# Altium PCB transceiver_board_V2.PcbDoc (part 2 of 2)
Units mil, origin at the board's own origin, x right, y up, seen from the top; angles counter-clockwise.
Board outline 3696 x 3830 mil, 4 copper layers (L1-CU, L2-CU, L3-CU, L4-CU), stack 63.09 mil thick; 102 components, 132 nets, 527 pads, 299 vias.
Unrouted connection lines stored in the file: 765.
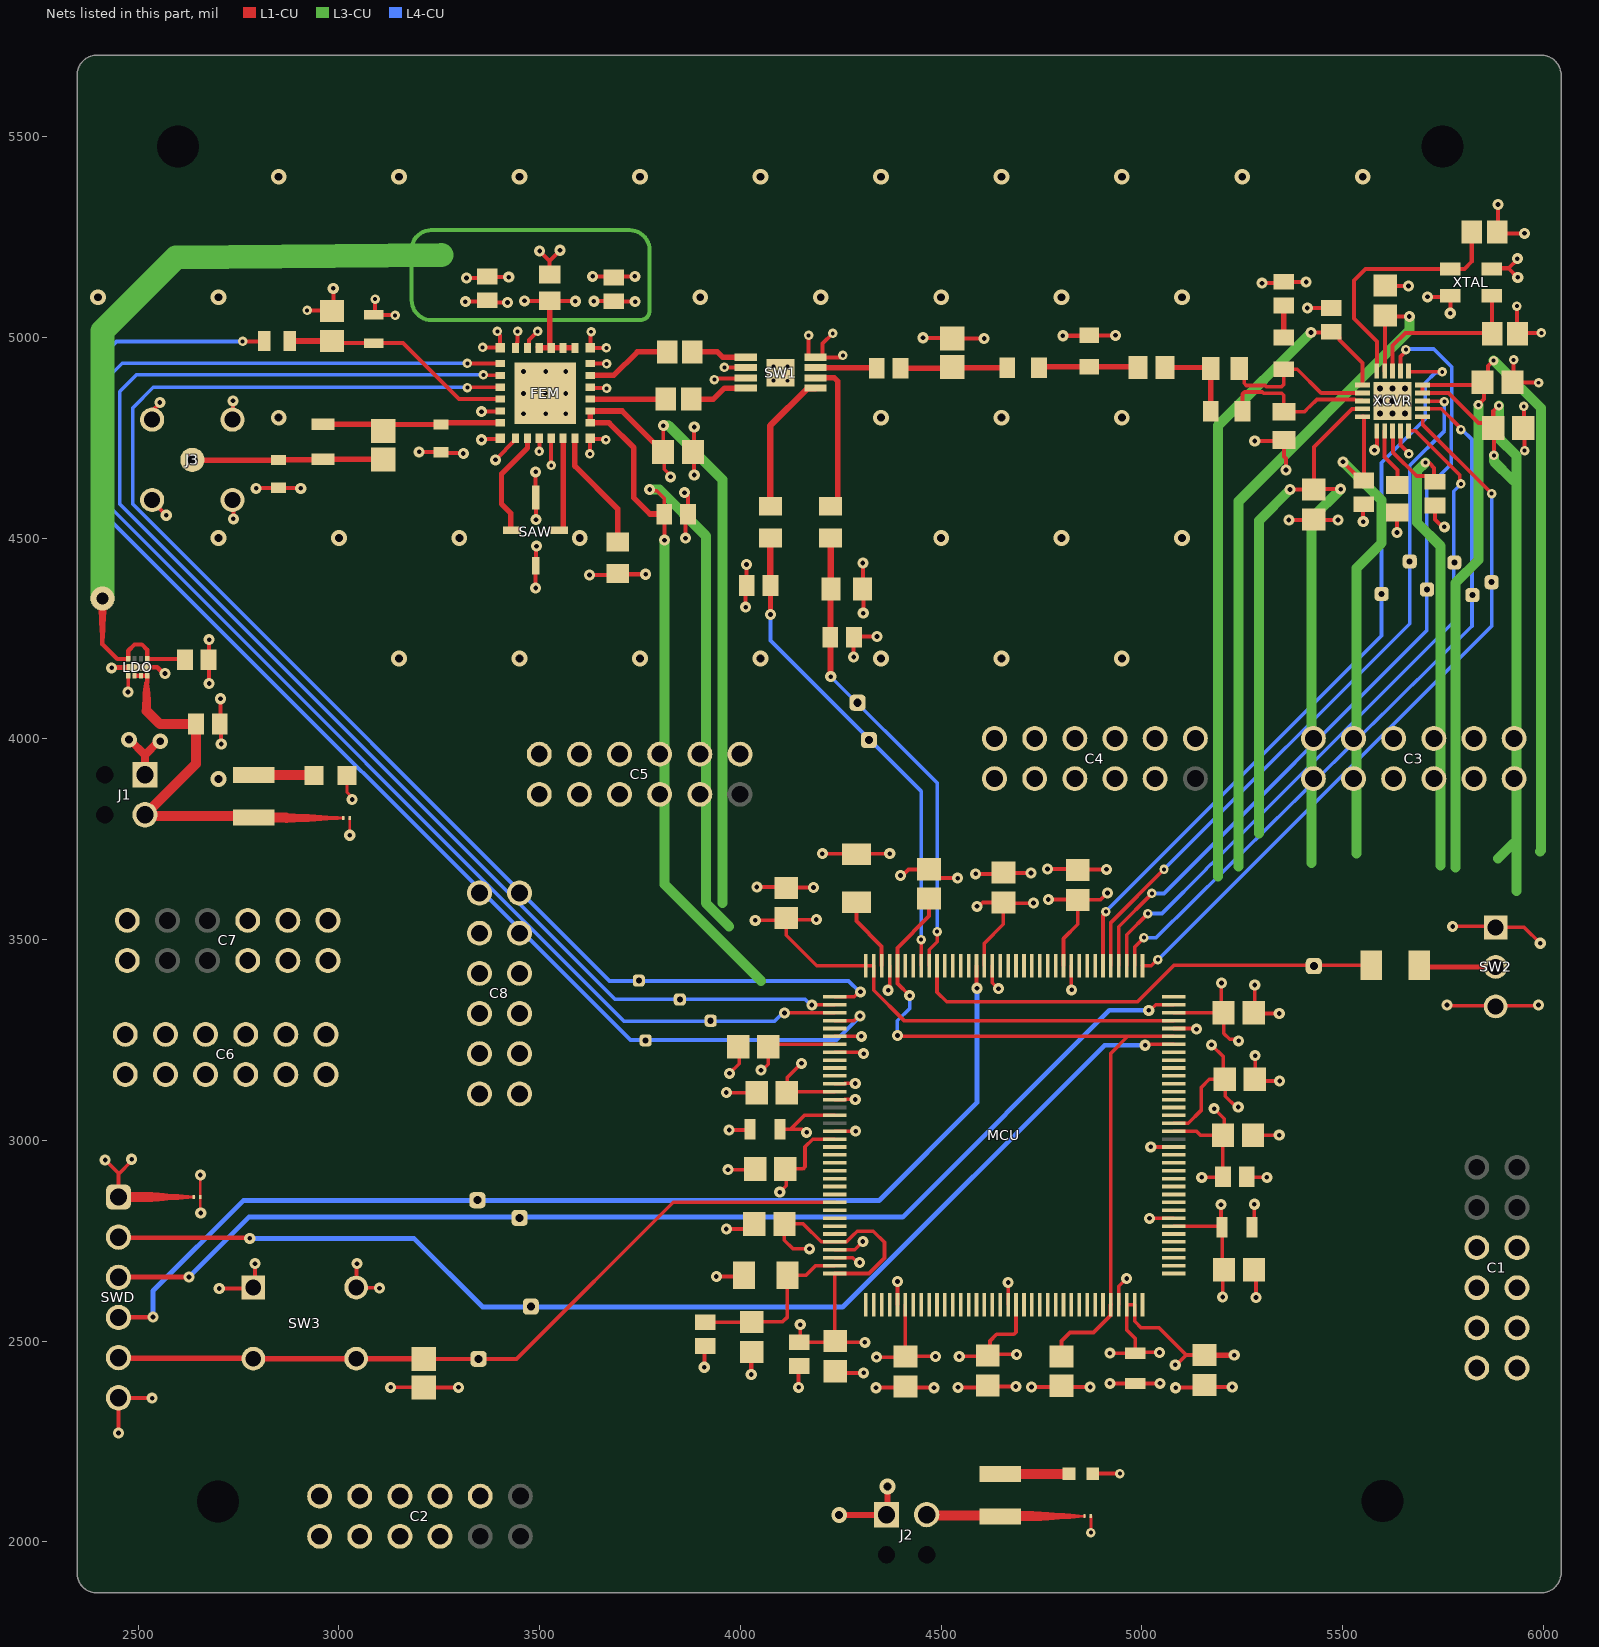
[diagram p4: the nets of this part, all layers, seen from the top]

## Part data (continued)
SW3: library part CMP-011-00013-1, "Keypad Switch, 1 Switches, SPST, Momentary-tactile, 0.05A, 24VDC, 2.06N, 4 PCB Hole Cnt, Solder Terminal, Through Hole-straight", Contact Current(DC)-Max=50mA, Contact DC Max Rating R Load=.05A@24VDC, Contact Voltage(DC)-Max=24V, Max Operating Temperature=85°C, Min Operating Temperature=-35°C, Operating Force-Max=2.06N, Body Breadth=5.99mm, Body Height=3.61mm, Body Length or Diameter=5.99mm, Circuit Configuration=1X1, Mounting Technology="Through Hole", Number of Switches=1, Reach SVHC Compliant=Yes, RoHS Compliant=Yes, Switch Action=MOMENTARY, Switch Function=SPST, Switch Type=Keypad, Termination=Solder
SWD: library part CMP-002-00073-1, "Board Connector, 6 Contact(s), 1 Row(s), Male, Straight, 0.1 inch Pitch, Solder Terminal, Locking, Black Insulator, Plug for STM32 interface", Contact Resistance=20mR, Dielectric Withstanding Voltage (AC)=500V, Insulation Color=Black, Insulation Resistance=1GR, Max Operating Temperature=125°C, Min Operating Temperature=-40°C, Rated Current (Signal)=3A, Body Breadth=0.1inch, Body Depth=0.1inch, Body Length=0.6inch, Body/Shell Style=PLUG, Connector Type="BOARD CONNECTOR", Contact Finish - Mating=GOLD, Contact Finish - Termination="Gold (Au) - with Nickel (Ni) barrier", Contact Gender=Male, Contact Material="Copper Alloy", Contact Pattern=RECTANGULAR, Contact Style="SQ PIN-SKT", Insulation Material=Polybutylene, JESD-609 Code=e4, Mating Contact Pitch=0.1inch, Mounting Option 1=LOCKING, Mounting Style=STRAIGHT, Mounting Technology=Board, Number Of Connectors=1, Number of Contacts=6, Number of Rows Loaded=1, PCB Contact Pattern=RECTANGULAR, Reach SVHC Compliant=Yes, Reference Standard=UL, Reliability=COMMERCIAL, RoHS Compliant=Yes, Terminal Length=0.118inch, Terminal Pitch=2.54mm, Termination=Solder
XCVR: library part CMP-00025-00007-1, "RF and Baseband Circuit, PQCC20", Case/Package=HVQCCN, Max Operating Temperature=85°C, Min Operating Temperature=-40°C, Pins=20, RoHS Compliant=Yes
XTAL: library part CMP-003-00033-2, "Crystal 26.0000MHZ 10PF SMD"

## Free pads (board coordinates)
  round 80 on Mid2: 6(3255,5205)
  rrect50% 40x40 hole 20: 7(3345,2851) 7(3348,2456) 7(3450,2807) 7(3478,2586) 7(4292,4090) 7(4320,3997) 7(5428,3434)
  rrect50% 30x30 hole 15: 7(3747,3398) 7(3764,3249) 7(3849,3351) 7(3926,3298)
  rrect50% 35x35 hole 15: 7(5597,4361) 7(5667,4442) 7(5710,4372) 7(5778,4439) 7(5823,4358) 7(5871.06,4390.14)

## Via types
v1: diameter 27.56, hole 11.81, L1-CU to L4-CU, 201 vias
v2: diameter 23.62, hole 9.84, L1-CU to L4-CU, 56 vias
v3: diameter 39.37, hole 19.68, L1-CU to L4-CU, 40 vias
v4: diameter 60, hole 30, L1-CU to L4-CU, 1 vias
v5: diameter 27.56/27.56/27.56/27.56 (per signal layer), hole 11.81, L1-CU to L4-CU, 1 vias

## Nets (pads, with @x,y where several pads share a name; then routed paths per layer and width w, separated by ;. In a path a pad name is that pad's centre, name@x,y a point inside that pad or via, vN(x,y) a via of type N, cw(c..) or ccw(c..) an arc to the next point about the centre after c; other vN are vias at no path point)
3.3V: C2.2@5848.6,4888 C3.2@5875,4774 C4.2@5730,4640.53 C5.2@5606,5054.6 C6.2@5472,5014 C7.2@5428,4621.4 C8.2@5553,4643.53 C26.2 C27.2 C32.2 C33.1 C34.2 C35.2 C36.2 C37.1 C40.2 C41.2 C42.2 C43.2 C44.2 C45.2 C46.2 C47.2 C48.2 C49.2 C50.2 C51.2 C52.2 C53.1 D2.2 D3.2 FEM.16 FEM.17 J2.2 MCU.7 MCU.8 MCU.13 MCU.16 MCU.19 MCU.32 MCU.36 MCU.42 MCU.56 MCU.70 MCU.71 MCU.79 MCU.91 MCU.92 MCU.105 MCU.106 MCU.119 MCU.129 MCU.143 MCU.144 R6.2 R9.1 R11.2 SW2.1 SWD.1 XCVR.4 XCVR.5 XCVR.9 XCVR.11 XCVR.14 XCVR.15 XCVR.18 | length 24922.3
  L1-CU w7: 4842.5,2064 D2.2@4857,2064
  L1-CU w8: 2624.5,2859 D3.2@2639,2859 ; C52.2@4114,3553.6 4114,3511 4190,3435 MCU.144@4312.51,3435 MCU.143@4332.2,3435 ; 4833,2064 4842.5,2064
  L1-CU w9: v1(2418,2951) 2451,2918 ; SWD.1@2451,2859 2451,2916 2484,2949 v1(2484,2953) ; v1(3774,4621) 3776.79,4618.21 3791.79,4618.21 3810.47,4599.53 C26.2@3810.47,4560 3811,4559.47 v1(3811,4495) ; v1(3808,4780) 3808,4717.06 3807.6,4716.65 3810,4714.25 3810,4671.66 3825.92,4655.74 v1(3825.92,4652.64) ; v1(3940,2661) 4005.84,2661 R9.1@4008.84,2664 ; v1(4037,3548) 4108.4,3548 C52.2@4114,3553.6 4117.6,3550 v1(4189,3550) ; v1(4051,3175) 4053.04,3177.04 4056.07,3177.04 4069,3189.97 C40.2@4069,3232.6 ; C40.2@4069.4,3233 4075.78,3239.38 MCU.7@4235,3239.38 ; v1(4098,2871) 4114,2887 4114,2903.97 4130.97,2903.97 4132.92,2905.92 4132.92,2924.86 C42.2@4134.86,2926.8 ; C37.1@4098.4,3028 4125,3028 ; C42.2@4111.8,2929 4155.73,2929 4161,2934.27 4161,2984 4180.16,3003.16 MCU.19@4235,3003.16 ; C41.2@4115.4,3119 C41.2@4116.76,3120.35 ; v1(4149,2541) 4149,2499.06 C34.2@4147,2497.06 4233.06,2497.06 C32.2@4236,2500 ; v1@4151.49,3191.49 4116.76,3156.76 C41.2@4116.76,3120.35 ; v1(4165,3020) 4162.39,3020 4154.39,3028 4125,3028 ; v1(4172,2730) 4131,2730 4109.4,2751.6 C43.2@4109.4,2792 4156.65,2792 4201.39,2747.25 MCU.32@4235,2747.25 4264.25,2747.25 4278.89,2761.89 4291,2774 4331,2774 4359,2746 4359,2707 4320.51,2668.51 MCU.36@4235,2668.51 4235,2501 C32.2@4236,2500 ; v1(4204,3714) 4288.04,3714 R11.2@4289,3713.04 4289.96,3714 v1(4372,3714) ; MCU.16@4235,3062.21 4159.21,3062.21 4125,3028 ; MCU.13@4235,3121.27 4117.67,3121.27 C41.2@4116.76,3120.35 ; MCU.8@4235,3219.69 4300.42,3219.69 4304.11,3216 v1(4307,3216) ; v1(4310,2497) 4239,2497 C32.2@4236,2500 ; MCU.143@4332.2,3435 4332.2,3373.8 4407.57,3298.43 MCU.105@5079,3298.43 ; v1(4339,2460) 4409,2460 C44.2@4411,2462 ; MCU.42@4410.94,2591 4410.94,2566.5 4411,2566.44 C44.2@4411,2462 ; v1(4486,2462) C44.2@4411,2462 ; v1(4545,2462) 4613.28,2462 C45.2@4616,2464.72 4621.5,2470.22 4621.5,2500.5 4638,2517 4681.26,2517 4686.53,2522.27 MCU.56@4686.53,2591 ; v1(4589,3583) 4594.02,3583 4603.62,3592.6 C51.2@4655,3592.6 ; MCU.129@4607.79,3435 4607.79,3490.91 4655,3538.13 C51.2@4655,3592.6 ; C45.2@4621.5,2466.32 4622.19,2467 v1(4688,2467) ; v1(4730,3591) 4656.6,3591 C51.2@4655,3592.6 ; v1(4767,3600) 4839,3600 C50.2@4840,3599 ; MCU.119@4804.64,3435 4804.64,3502.64 4840,3538 C50.2@4840,3599 ; v1(4914,3616) 4897,3599 C50.2@4840,3599 ; v1(4920,2470) C33.1@4983,2470 ; C33.1@4983,2469.8 C33.1@4983,2470 ; v1(5044,2472) 4985,2472 C33.1@4983,2470 ; MCU.79@5079,2786.62 C53.1@5196.98,2786.62 ; MCU.91@5079,3022.84 5136.1,3022.84 5145.94,3013 C36.2@5201.6,3013 ; MCU.92@5079,3042.53 5115.53,3042.53 5147.33,3074.33 5147.33,3131.33 5168,3152 C48.2@5203,3152 ; MCU.106@5079,3318.12 C49.2@5203.48,3318.12 ; v1(5083,2441) 5086.02,2441 5110.42,2465.4 ; v1(5149,2908) 5200.94,2908 C35.2@5201.94,2909 5201.6,2909.35 C36.2@5201.6,3013 ; C46.2@5156,2465.4 5110.42,2465.4 ; v1(5173,3238) 5203,3208 5203,3155.2 C48.2@5206.2,3152 5207.76,3150.44 5207.76,3110.22 5234.98,3083 v1(5240,3083) ; v1(5180,3079) 5205,3054 5205,3016.4 C36.2@5201.6,3013 ; v1(5197,2840) C53.1@5197,2786.6 ; v1(5198,3392) 5198,3323.6 C49.2@5203.48,3318.12 ; v1(5201,2610) 5201,2675 C47.2@5204,2678 5199.6,2682.4 C53.1@5199.6,2784 C53.1@5197,2786.6 ; C49.2@5203.48,3316.15 C49.2@5203.48,3318.12 ; v1(5241,3248) 5237.45,3251.55 5218.45,3251.55 5203.6,3266.4 C49.2@5203.6,3318 C49.2@5203.48,3318.12 ; v1(5774,3533) 5878.43,3533 SW2.1@5881,3530.43 5952.57,3530.43 v1(5992,3491) ; C33.1@4983,2470 4983,2507 4962.12,2527.88 MCU.70@4962.12,2591 MCU.71@4981.8,2591 4981.8,2549.2 4998,2533 5042.83,2533 5110.42,2465.4
  L1-CU w10: 2611,2859 2624.5,2859 ; v1(5369,4621) 5427.6,4621 C7.2@5428,4621.4 ; v1(5421,5012) 5475.91,5012 5477.91,5014 5492.59,4999.31 5492.59,4993.41 5549.53,4936.47 XCVR.11@5549.53,4881.09 ; v1(5495,4622) 5428.6,4622 C7.2@5428,4621.4 ; v1(5501,4690) 5501,4689.62 5547.09,4643.53 C8.2@5553,4643.53 5553,4801.35 5552,4802.35 XCVR.15@5549.53,4802.35 ; XCVR.14@5549.53,4822.04 5523.04,4822.04 5428,4727 C7.2@5428,4621.4 ; XCVR.9@5604.59,4916.47 5604.59,4929.22 5606,4930.63 C5.2@5606,5054.6 5608.6,5052 v1(5666,5052) ; XCVR.18@5624.28,4766.97 5625.28,4765.97 5625.28,4713.72 5684.49,4654.51 5716.02,4654.51 C4.2@5728,4642.53 ; v2(5706,4688) 5708.61,4685.39 5717.82,4685.39 5728,4675.21 C4.2@5728,4642.53 ; C4.2@5730,4640.53 C4.2@5728,4642.53 ; v2(5838,4832) 5852,4846 5852,4870.78 C2.2@5841.69,4881.09 ; v2(5876,4942.31) 5862,4928.31 5862,4901.4 C2.2@5848.6,4888 C2.2@5841.69,4881.09 ; v2(5876.34,4706.19) 5876.34,4772.66 C3.2@5875,4774 ; v2(5889,4830) 5875,4816 C3.2@5875,4774 ; C2.2@5841.69,4881.09 XCVR.5@5699.03,4881.09 XCVR.4@5699.03,4861.41 5763.59,4861.41 5838.3,4786.7 5862.3,4786.7 C3.2@5875,4774
  L1-CU w11: 4820,2064 4833,2064
  L1-CU w12: 2599,2859 2611,2859
  L1-CU w13: 4806,2064 4820,2064
  L1-CU w14: 2586,2859 2599,2859 ; C27.2@3807.6,4716.65 3787.04,4737.21 3785.07,4737.21 3705.58,4816.71 FEM.17@3626.02,4816.71 FEM.16@3626.02,4787.18 3672.82,4787.18 3734.83,4725.17 3734.83,4600.17 3775,4560 C26.2@3810.47,4560 ; C46.2@5156,2465.4 5156.4,2465 v1(5230,2465)
  L1-CU w15: 4791,2064 4806,2064
  L1-CU w16: 2572,2859 2586,2859
  L1-CU w17: 4779,2064 4791,2064
  L1-CU w18: 2562,2859 2572,2859
  L1-CU w19: 4766,2064 4779,2064
  L1-CU w20: 2550,2859 2562,2859
  L1-CU w21: 4748,2063 4749,2064 4766,2064
  L1-CU w22: 2534,2859 2550,2859
  L1-CU w23: 4727,2064 4747,2064 4748,2063
  L1-CU w24: 2522,2859 2534,2859
  L1-CU w25: J2.2@4464,2068 4466.59,2065.41 4644.41,2065.41 R6.2@4647,2062.82 4648.18,2064 4727,2064
  L1-CU w26: SWD.1@2451,2859 2522,2859
  L3-CU w25: v1(3774,4621) 3798.69,4621 3914,4505.69 3914,3591 3972,3533 ; v1(3808,4780) 3821.3,4780 3955,4646.3 3955,3591 ; v1(3811,4495) 3811,3637.69 4051.68,3397 ; 5189,3657 5189,4780 v1(5421,5012) ; 5241,3682 5241,4592.06 5666,5017.06 v1(5666,5052) ; 5292,3764 5292,4544 v1(5369,4621) ; 5422,3690.89 5422,4549 v1(5495,4622) ; v1(5501,4690) 5596.63,4594.37 5596.63,4487.46 5535,4425.83 5535,3714.18 ; v2(5706,4688) 5684.94,4666.94 5684.94,4538.78 5744,4479.72 5744,3684.39 ; 5781,3679.14 5781,4388.79 5838,4445.79 v2(5838,4832) ; v2(5876,4942.31) 5994,4824.31 5994,3722 5991,3719 ; v2(5876.34,4706.19) 5876.34,4691.66 5923,4645 ; 5887,3702.11 5923,3738.11 ; v2(5889,4830) 5889,4749 5933,4705 5933,4645 5933,3738.11 5933,3621.2
  other v1: 4152,3192
3.9V: C18.2 C19.2 C20.2 C29.2 FEM.23 FEM.24 FEM.25 FEM.26 LDO.1 LDO.4 pad.6 | length 4077.9
  L1-CU w10: LDO.4@2475.5,4199 2475.5,4207.99 ; v5(3315,5089) 3366.53,5089 C18.2@3370,5092.47 3375.47,5087 v1(3420,5087) ; v1(3462,5091) 3524.57,5091 C19.2@3525,5091.43 3526.43,5090 v1(3589,5090) ; v1(3635,5090) 3684.94,5090 C20.2@3685,5089.94 3685.94,5089 v1(3738,5089)
  L1-CU w11: 2411,4252 2411,4236 2448,4199 LDO.4@2475.5,4199 ; 2475.62,4208.11 2475.62,4219.62 2491,4235 2509.39,4235 2522.75,4221.64 LDO.1@2522.75,4199 2614.47,4199 C29.2@2616.47,4197
  L1-CU w12: 2411,4252 2411,4260
  L1-CU w14: FEM.26@3497.24,4975.68 FEM.26@3499.24,4973.68 FEM.25@3525,4973.68 ; C19.2@3525,5091.43 3525,4980.44 3528.76,4976.68 FEM.25@3528.76,4973.68 FEM.24@3558.29,4973.68 ; FEM.24@3560.29,4975.68 FEM.24@3558.29,4973.68 ; FEM.23@3587.82,4973.68 FEM.24@3558.29,4973.68
  L1-CU w15: 2411,4267 2411,4285
  L1-CU w16: 2411,4285 2411,4295
  L1-CU w17: 2411,4295 2411,4307
  L1-CU w18: 2411,4307 2411,4314
  L1-CU w20: 2411,4314 v4(2411,4350)
  L3-CU w10: 3723,5267 3259,5267 3230,5267 ccw(c3230,5218) 3181,5218 3181,5093 ccw(c3231,5093) 3231,5043 3750.2,5043 ccw(c3750.2,5066.8) 3774,5066.8 3774,5075.8 3774,5196 3774,5217 ccw(c3724,5217) 3724,5267
  L3-CU w60: v4(2411,4350) 2411,5016 2594,5199 pad.6@3255,5205
5V: C28.2 D1.2 J1.2 LDO.6 LDO.7 LDO.8 R5.2 | length 1032.5
  L1-CU w7: 2996.5,3803 D1.2@3011,3803
  L1-CU w9: 2985,3803 2996.5,3803
  L1-CU w11: LDO.6@2491.25,4157.66 LDO.7@2507,4157.66 LDO.8@2522.75,4157.66 2522.37,4157.28 2522.37,4140.37 2521,4139 ; 2970,3803 2985,3803
  L1-CU w13: 2521,4132 2521,4139 ; 2956,3803 2970,3803
  L1-CU w15: 2521,4124 2521,4132 ; 2940,3803 2956,3803
  L1-CU w17: 2521,4115 2521,4124 ; 2924,3803 2940,3803
  L1-CU w19: 2521,4101 2521,4115 ; 2906,3803 2924,3803
  L1-CU w21: 2521,4088 2521,4101 ; 2888,3803 2906,3803
  L1-CU w23: 2521,4070 2521,4088 ; 2869,3803 2888,3803
  L1-CU w25: 2521,4070 2553.92,4037.08 C28.2@2644,4037.08 2644,3938 J1.2@2517,3811 2520.5,3807.5 2784.5,3807.5 R5.2@2788,3804 2868,3804 2869,3803
Antenna: C23.1 C25.1 J3.1 L5.1 | length 475.7
  L1-CU w13.5: J3.1@2635.55,4694.45 C25.1@2850,4694.45 2851.03,4695.47 2958.97,4695.47 L5.1@2960,4696.5 3109.04,4696.5 C23.1@3110,4695.54
BOOT0: MCU.135 pad.7@5428,3434 R10.1 | length 1194.7
  L1-CU w9: MCU.135@4489.68,3435 4489.68,3369.32 4514,3345 4989,3345 5080,3436 R10.1@5570.92,3436
BYP: FEM.4 MCU.1 pad.7@3747,3398 | length 3561.9
  L1-CU w9: v2(3320,4875) 3320.38,4875.38 3401.6,4875.38 FEM.4@3401.98,4875.76 ; MCU.1@4235,3357.49 4283.6,3357.49 4296.11,3370 v1(4299,3370)
  L4-CU w9: v2(3320,4875) 3319,4876 2538,4876 2487,4825 2487,4584 3674,3397 4269.45,3397 4296.45,3370 v1(4299,3370)
CSn: MCU.112 pad.7@5710,4372 XCVR.7 | length 2044.6
  L1-CU w9: MCU.112@4942.43,3435 4942.43,3532.43 5024.93,3614.93 v2(5025.07,3614.93) ; XCVR.7@5643.96,4916.47 5643.96,4952.29 5657.36,4965.69 v2(5657.36,4969.64)
  L4-CU w9: v2(5025.07,3614.93) 5025.14,3615 5055,3615 5709.72,4269.72 5709.72,4372 5709.72,4623.79 5770.63,4684.7 5770.63,4796.35 5771.81,4797.54 5771.81,4926.19 5727,4971 5658.72,4971 v2(5657.36,4969.64)
EN: FEM.3 MCU.2 pad.7@3849,3351 | length 3543.5
  L1-CU w9: v2(3359.62,4906.47) 3360.81,4905.29 FEM.3@3401.98,4905.29 ; v1(4178,3337.46) 4178.34,3337.8 MCU.2@4235,3337.8
  L4-CU w9: v2(3359.62,4906.47) 2495.47,4906.47 2454,4865 2454,4585 3687,3352 4159.95,3352 4174.49,3337.46 v1(4178,3337.46)
GDO0: MCU.114 pad.7@5597,4361 XCVR.6 | length 1923.9
  L1-CU w9: MCU.114@4903.06,3435 4903.06,3560.7 4910,3567.64 v2(4910,3570) ; XCVR.6@5663.65,4916.47 5663.65,4915.5 5665.15,4914 v2(5748,4914)
  L4-CU w9: v2(4910,3570) 5596.63,4256.63 5596.63,4687.57 5705.78,4796.72 5705.78,4887.09 5731.02,4912.33 5746.33,4912.33 v2(5748,4914)
GDO2: MCU.113 pad.7@5667,4442 XCVR.3 | length 1803.8
  L1-CU w9: MCU.113@4922.75,3435 4922.75,3542.75 v2(5055,3675) ; XCVR.3@5699.03,4841.72 5700.03,4840.72 5752.21,4840.72 v2(5753.21,4839.71)
  L4-CU w9: v2(5055,3675) 5667,4287 5667,4680.65 5753.37,4767.02 5753.37,4839.55 v2(5753.21,4839.71)
GND: C1.2@4015.63,4382 C2.1@5923.4,4888 C3.1@5949.8,4774 C4.1@5730,4581.47 C5.1@5606,5129.4 C6.1@5472,5073.06 C7.1@5428,4546.6 C8.1@5553,4584.47 C9.1 C10.2 C13.2 C14.2 C15.1 C16.2 C17.2 C18.1 C19.1 C20.1 C21.1 C22.2 C24.2 C25.2 C26.1 C27.1 C28.1 C29.1 C30.1 C31.1 C32.1 C33.2 C34.1 C35.1 C36.1 C37.2 C38.2 C39.2 C40.1 C41.1 C42.1 C43.1 C44.1 C45.1 C46.1 C47.1 C48.1 C49.1 C50.1 C51.1 C52.1 C53.2 C54.1 D1.1 D2.1 D3.1 FEM.1 FEM.6 FEM.8 FEM.9 FEM.11 FEM.12 FEM.15 FEM.19 FEM.21 FEM.22 FEM.27 FEM.28 FEM.29 J1.1 J2.1 J3.2 J3.3 J3.4 J3.5 LDO.5 LDO.9 LED1.1 LED2.2 MCU.6 MCU.12 MCU.14 MCU.18 MCU.33 MCU.34 MCU.41 MCU.55 MCU.69 MCU.80 MCU.89 MCU.104 MCU.118 MCU.128 MCU.141 R3.1 R4.2 R8.1 SAW.2 SAW.4 SW1.4 SW1.6 SW1.7 SW1.9 SW2.3 SW3.1 SW3.2 SWD.6 XCVR.16 XCVR.19 XCVR.21 XTAL.2 XTAL.4 | length 9934.6
  L1-CU w6: v1@2655,2820 D3.1@2655,2859 v1(2655,2914) ; v1(3027,3760) D1.1@3027,3803
  L1-CU w7: v1@2655,2820 v1(2656,2819) ; LED1.1@3020.34,3909 3020.34,3867.22 3033,3854.56 v1(3033,3849) ; v2(4873,2023) D2.1@4873,2064
  L1-CU w9: v1(2451,2271) SWD.6@2451,2359 2451.5,2358.5 2534.5,2358.5 v1(2535,2358) ; v1(2475,4117) 2475.25,4117.25 2475.25,4157.41 LDO.5@2475.5,4157.66 ; v1(2702,2631) 2784.46,2631 SW3.1@2787.05,2633.58 2791,2633.58 v1(2791,2693) ; v1(3045,2693) 3043.98,2691.98 3043.98,2634.61 SW3.2@3042.95,2633.58 3043.74,2632.79 3100.21,2632.79 v1(3101,2632) ; v1(3129,2385) 3210.54,2385 C54.1@3211,2384.54 3297.54,2384.54 v1(3298,2385) ; v1(3965,3119) C41.1@4040.6,3119 ; v1(3969,2927) 4035,2927 C42.1@4037,2929 ; v1(3972,3026) 4021.6,3026 C37.2@4023.6,3028 ; v1(3973,3167) 3997,3191 3997,3230.6 C40.1@3994.6,3233 ; MCU.34@4235,2707.88 4280.1,2707.88 4291.98,2696 v1(4297,2696) ; MCU.33@4235,2727.57 4284.57,2727.57 v1(4305,2748) ; MCU.18@4235,3022.84 4259.5,3022.84 4259.66,3023 v1(4287,3023) ; MCU.14@4235,3101.58 4259.5,3101.58 4259.92,3102 v1(4286,3102) ; MCU.12@4235,3140.95 4259.5,3140.95 4260.55,3142 v1(4286,3142) ; MCU.6@4235,3259.06 v1(4301.06,3259.06) ; v1(4368,3374) 4368,3379.02 4371.57,3382.59 MCU.141@4371.57,3435 ; MCU.41@4391.25,2591 v1(4391.25,2648.75) ; MCU.128@4627.47,3435 4627.47,3392.5 4641.97,3378 v1(4643,3378) ; MCU.55@4666.84,2591 4666.84,2645.84 v1(4667,2646) ; MCU.118@4824.32,3435 4824.32,3385.68 v1@4825,3385 ; MCU.69@4942.43,2591 4942.43,2636.43 v1(4962,2656) ; v1(5019,2806) 5019.31,2806.31 MCU.80@5079,2806.31 ; v1(5022,2984) 5022.53,2983.47 MCU.89@5079,2983.47 ; MCU.104@5079,3278.75 5134.25,3278.75 v1(5136,3277) ; C35.1@5261,2909 5262,2908 v1(5311,2908) ; C53.2@5274.4,2784 5280,2789.6 v1(5280,2841) ; C36.1@5276.4,3013 v1(5342,3013) ; C47.1@5278.8,2678 5284,2672.8 v1(5284,2609) ; v1(5281,3387) 5281,3320.6 5279,3318.6 5281.6,3316 v1(5342,3316) ; v1(5282,3211) 5282,3153 C48.1@5281,3152 5285,3148 v1(5343,3148) ; v1(5760,3337) 5761.71,3335.29 5879.29,3335.29 SW2.3@5881,3333.57 5882.71,3335.29 5986.29,3335.29 v1(5988,3337)
  L1-CU w10: J3.4@2535,4595 2535,4592 v1(2570,4557) ; J3.5@2535,4795 2535,4816.3 2554,4835.3 v1(2554,4838) ; v1(2677,4138) 2677,4195.53 C29.1@2675.53,4197 2677,4198.47 v1(2677,4247) ; v1(2705,4100) 2705,4039.02 C28.1@2703.05,4037.08 2707,4033.13 v1(2707,3987) ; J3.3@2735,4595 2737,4593 v1(2737,4548) ; J3.2@2735,4795 2736,4796 v1(2736,4842) ; v1(2794,4624) 2794.78,4624.78 2849.22,4624.78 C25.2@2850,4625.55 2850.78,4624.78 2904.22,4624.78 v1(2905,4624) ; v2(2921,5067) 2982,5067 C21.1@2983,5066 2986,5069 v1(2986,5122) ; v2(3090,5095) 3090,5059.63 C22.2@3087,5056.63 3087.82,5055.81 3139.18,5055.81 v2(3140,5055) ; v1(3200,4715) 3200.45,4714.55 3253.55,4714.55 C24.2@3254,4714.1 3255.55,4712.55 3308.45,4712.55 v1(3310,4711) ; v1(3318,5148) 3366.47,5148 C18.1@3370,5151.53 3371.53,5150 v1(3423,5150) ; v1(3355,4745) 3356.68,4746.68 3400.3,4746.68 FEM.8@3401.98,4748.36 ; v1(3355,4815) 3355.85,4815.85 3401.13,4815.85 FEM.6@3401.98,4816.71 ; v2(3358,4975) 3358.66,4974.34 3401.32,4974.34 3401.32,5004.99 3395,5011.31 v2(3395,5015) ; v1(3390,4695) 3390,4695.14 3440.18,4745.32 FEM.9@3440.18,4748.32 ; FEM.28@3440.18,4973.68 3444.18,4977.68 3444.18,4987.37 3445,4988.19 v2(3445,5015) ; FEM.27@3469.71,4973.68 3473.71,4977.68 3473.71,4993.71 v2(3495,5015) ; v1(3490,4376) SAW.2@3490,4431.5 3491,4432.5 3491,4479 v1(3492,4480) ; v1(3490,4665) SAW.4@3490,4601 3490.5,4600.5 3490.5,4546.5 v1(3491,4546) ; v2(3499,4716) 3499.12,4716.12 3499.12,4748.2 FEM.11@3499.24,4748.32 ; v1(3500,5215) 3525,5190 ; C19.1@3526.3,5165.07 C19.1@3525,5165.07 ; FEM.12@3528.76,4748.32 3528.88,4748.2 v2(3528.88,4681.12) ; v1(3551,5217) 3551,5216 3525,5190 ; v1(3624,4408) 3690.91,4408 3692.91,4410 v1(3764,4410) ; v2(3625,4710) 3625.51,4710.51 3625.51,4747.85 3626.68,4746.68 3663.32,4746.68 v2(3665,4745) ; FEM.19@3626.02,4875.76 3627.4,4874.38 3665.62,4874.38 v2(3667,4873) ; FEM.21@3626.02,4934.82 3626.43,4934.41 3666.59,4934.41 v2(3667,4934) ; v2(3628,5014) 3627.01,5013.01 3627.01,4974.67 3627.84,4973.84 3665.84,4973.84 v2(3666,4974) ; v1(3632,5152) 3682,5152 C20.1@3685,5149 3688,5152 v1(3737,5152) ; v1(3861,4613.25) 3869.53,4604.72 C26.1@3869.53,4560 ; v1(3863.35,4499.97) 3863.35,4552.35 C26.1@3870,4559 ; v1(3885,4657) v1(3885,4777) ; v1(3910,2435) 3910,2484.94 C31.1@3913,2487.94 ; v2(3935,4895) 3937.1,4897.1 4011.28,4897.1 SW1.7@4013.39,4899.2 ; v2(3960,4925) 3960.1,4924.9 4013.28,4924.9 SW1.6@4013.39,4924.8 ; v1(3965,2779.22) 4021.82,2779.22 C43.1@4034.6,2792 ; v1(4013,4328) 4013,4379.37 C1.2@4015.63,4382 4015,4382.63 v1(4015,4434) ; v1(4027,2417) 4027,2472.2 C30.1@4028,2473.2 ; v1(4041,3631) 4110.6,3631 4113.6,3628 C52.1@4114,3628.4 4115.6,3630 v1(4182,3630) ; v1(4145,2385) 4145,2436 C34.1@4147,2438 ; v2(4170,5005) 4170,4954.24 4173.86,4950.39 4201.08,4950.39 4204.94,4954.24 4204.94,4984.94 v2(4230,5010) ; SW1.4@4204.94,4950.19 4247.57,4950.19 4252.38,4955 v2(4255,4955) ; C32.1@4236,2425.2 4240.2,2421 v1(4307,2421) ; v1(4282,4204) 4282,4252.69 4284.31,4255 v1(4340,4255) ; v1(4305,4438) 4305,4374.31 4306,4373.31 v1(4306,4313) ; v1(4338,2384) 4407.8,2384 C44.1@4411,2387.2 4414.2,2384 v1(4482,2384) ; J2.1@4363,2067 J2.1@4364,2068 J2.1@4366,2070 ; v1(4399,3660) 4403.75,3660 4418.9,3675.15 C39.2@4470,3675.15 4492.15,3653 v1(4541,3653) ; v1(4455,4999) 4526.15,4999 C14.2@4528,4997.15 4528.15,4997 v1(4607,4997) ; v1(4542,2385) 4611.09,2385 4615.4,2389.32 4617.72,2387 v1(4686,2387) ; v1(4586,3664) 4652.4,3664 4655.4,3667 4656.4,3666 v1(4724,3666) ; v1(4725,2386) 4797.07,2386 4800.07,2389 4803.07,2386 v1(4871,2386) ; v1(4765,3676) 4837.8,3676 C50.1@4840,3673.8 4841.2,3675 v1(4912,3675) ; v1(4803,5004) 4867.63,5004 C13.2@4869,5005.37 4869.37,5005 v1(4934,5005) ; LED2.2@4877.53,2170 v2(4945,2170) ; v1(4920,2395) C33.2@4983,2395 4991.78,2386.22 5000.56,2395 v1(5045,2395) ; v1(5084,2384) 5149.4,2384 C46.1@5156,2390.6 5160.6,2386 v1(5225,2386) ; v1(5281,4742) 5351.61,4742 C10.2@5354,4744.39 5354,4703.73 5359,4698.73 5359,4670 v1(5359.05,4669.95) ; v1(5299,5135) 5349.47,5135 C15.1@5353,5138.53 5353.53,5138 v1(5409,5138) ; v1(5366,4545) 5426.4,4545 C7.1@5428,4546.6 5429.6,4545 v1(5488.5,4545) ; v1(5412,5073) 5471.94,5073 C6.1@5472,5073.06 ; v1(5551.17,4541) 5551.17,4582.64 C8.1@5553,4584.47 ; v1(5579,4719) 5579,4723.75 5584.91,4729.66 XCVR.16@5584.91,4766.97 XCVR.16@5584.91,4779.72 ; C5.1@5606,5129.4 5607.4,5128 v1(5664,5128) ; v1(5635,4514) 5635,4562.55 R4.2@5636,4563.55 ; XCVR.19@5642.96,4761.22 5643.96,4760.22 5643.96,4732.28 5665,4711.24 v2(5665,4710) ; v1(5711,5101) 5765.96,5101 5768,5098.96 v1(5768,5060) ; C4.1@5730,4581.47 5730,4546.79 5748.79,4528 v1(5753.27,4528) ; XTAL.2@5871.5,5170.46 XTAL.2@5880.5,5170.46 ; XTAL.2@5880.5,5172.14 5913.39,5172.14 ; v1(5887,5331) 5887,5265.48 5893.48,5259 v1(5953,5259) ; C2.1@5923.4,4888 5924.4,4887 v2(5988,4887) ; C2.1@5925.4,4890 5926,4890.6 v2(5926,4944) ; v2(5934,5078) 5934,5010.52 C17.2@5935.52,5009 5937.52,5011 v2(5995,5011) ; v1(5935,5196) 5935,5193.75 5913.39,5172.14 ; v1(5936,5149.53) 5913.39,5172.14 ; v2(5951,4828) 5951,4775.2 C3.1@5949.8,4774 5953,4770.8 v2(5953,4718) ; C19.1@3525,5165.07 3516.5,5165.07 C19.1@3525,5156.57 C19.1@3525,5165.07 ; C19.1@3525,5165.07 3525,5190
  L1-CU w12: v1(2434,4177) 2434.67,4177.67 2498.46,4177.67 LDO.9@2499.13,4178.33 2547.46,4178.33 2562.79,4163 v1(2567,4163)
  L1-CU w15: v3(4246,2067) J2.1@4363,2067 ; J2.1@4366,2070 v3(4366,2138)
  L1-CU w20: v3(2477,3998) 2479.25,3998 2517,3960.25 ; J1.1@2517,3911 2517,3960.25 ; v3(2555,3994) 2550.75,3994 2517,3960.25
  other v1: 4825,3375 3460,4810 3515,4810 3565,4810 3460,4860 3565,4860 3514,4861 3460,4915 3515,4915 3565,4915
  other v2: 4117,4892 4082,4893 4082,4927 4117,4927
  other v3: 2700,3900 3150,4200 3450,4200 3750,4200 4050,4200 4350,4200 4650,4200 4950,4200 2700,4500 3000,4500 3300,4500 3600,4500 4500,4500 4800,4500 5100,4500 2850,4800 4350,4800 4650,4800 4950,4800 2400,5100 2700,5100 3900,5100 4200,5100 4500,5100 4800,5100 5100,5100 2850,5400 3150,5400 3450,5400 3750,5400 4050,5400 4350,5400 4650,5400 4950,5400 5250,5400 5550,5400
Net_142: MCU.142 R11.1 | length 184
  L1-CU w10: R11.1@4289,3592.96 4289,3546.38 4351.88,3483.5 MCU.142@4351.88,3435
NetC11_1: C11.1 C14.1 L3.2 | length 268.2
  L1-CU w13.5: C11.1@4398.53,4923.22 4525,4923.22 C14.1@4528,4926.22 4530,4924.22 L3.2@4664.63,4924.22
NetC12_2: C12.2 L1.2 L2.1 | length 221
  L1-CU w13.5: L2.1@5057.86,4925 5168.57,4925 5171.63,4921.94 L1.2@5171.63,4816
NetC13_1: C13.1 L2.2 L3.1 | length 248.4
  L1-CU w13.5: L3.1@4743.37,4924.22 4745.78,4926.63 C13.1@4869,4926.63 4988.51,4926.63 L2.2@4990.14,4925
NetC15_2: C15.2 L4.1 | length 80.1
  L1-CU w13.5: L4.1@5353,4999.37 C15.2@5353,5079.47
NetC16_1: C16.1 XCVR.10 XTAL.3 | length 636.4
  L1-CU w10: XCVR.10@5584.91,4916.47 5584.91,4990.09 5528,5047 5528,5142 5556.46,5170.46 XTAL.3@5768.5,5170.46 5803.46,5170.46 5821.48,5188.48 C16.1@5821.48,5263
NetC17_1: C17.1 XCVR.8 XTAL.1 | length 415.1
  L1-CU w10: XCVR.8@5624.28,4916.47 5624.28,4979.28 5656,5011 5870.48,5011 5871.5,5012.02 XTAL.1@5871.5,5103.54
NetC21_2: C21.2 C22.1 FEM.5 R7.2 | length 584.5
  L1-CU w10: C21.2@2983.2,4991 2988.43,4985.76 C22.1@3087,4985.76 3159.24,4985.76 3298.76,4846.24 FEM.5@3401.98,4846.24
  L1-CU w14: R7.2@2877.5,4991 C21.2@2983.2,4991
NetC23_2: C23.2 C24.1 FEM.7 L5.2 | length 465.4
  L1-CU w13.03: L5.2@2965.49,4778.01 L5.2@2960,4783.5 3092.96,4783.5 C23.2@3110,4766.46 3126.54,4783 C24.1@3254,4783 3258.18,4787.18 FEM.7@3401.98,4787.18
NetC55_1: C55.1 SW1.8 | length 147.3
  L1-CU w13.5: C55.1@3877.52,4846 3933,4846 3960.61,4873.61 SW1.8@4013.39,4873.61
NetC56_1: C56.1 SW1.5 | length 138.5
  L1-CU w13.5: C56.1@3880.52,4964 3942.49,4964 3956.1,4950.39 SW1.5@4013.39,4950.39
NetFEM_14: FEM.14 R8.2 | length 302.1
  L1-CU w14: FEM.14@3587.82,4748.32 3587.82,4679.58 3694.61,4572.8 R8.2@3694.61,4490.43
NetLED1_2: LED1.2 R5.1 | length 150.2
  L1-CU w25: R5.1@2788,3910.35 2788.68,3909.68 2936.99,3909.68 LED1.2@2937.66,3909
NetLED2_1: LED2.1 R6.1 | length 171.8
  L1-CU w25: R6.1@4647,2169.18 4647.41,2169.59 4818.06,2169.59 LED2.1@4818.47,2170
NetR1_2: R1.2 SW1.1 | length 351.6
  L1-CU w16: R1.2@4074.68,4579.37 4074.68,4780.39 4167.91,4873.61 SW1.1@4186.61,4873.61
NetR2_2: R2.2 SW1.2 | length 378.5
  L1-CU w13.03: SW1.2@4186.61,4899.2 4234.58,4899.2 4242.21,4891.57 4242.21,4596.48 4225.11,4579.37 R2.2@4224.69,4579.37
NetR4_1: R4.1 XCVR.17 | length 147.5
  L1-CU w10: XCVR.17@5604.59,4766.97 5604.59,4701.49 5636,4670.09 R4.1@5636,4632.45
NetR10_2: R10.2 SW2.2 | length 191.7
  L1-CU w12: R10.2@5691,3436 5695,3432 SW2.2@5881,3432
NRST: C54.2 MCU.27 pad.7@3348,2456 SW3.3 SW3.4 SWD.5 | length 1947.1
  L1-CU w9: C54.2@3211,2455.46 3442.46,2455.46 3832.68,2845.68 MCU.27@4235,2845.68
  L1-CU w14: SWD.5@2451,2459 2452.29,2457.71 2785.76,2457.71 SW3.3@2787.05,2456.42 SW3.4@3042.95,2456.42 3210.05,2456.42 C54.2@3211,2455.46
PA0: C6.1@2968,3164 MCU.37
PA1: C6.2@2968,3264 MCU.38
PA2: C6.3 MCU.39
PA3: C6.4 MCU.40
PA4: C6.5 MCU.43
PA5: C6.6 MCU.44
PA6: C6.7 MCU.45
PA7: C6.8 MCU.46
PA8: C6.9 MCU.97
PA9: C6.10 MCU.98
PA10: C6.11 MCU.99
PA11: C6.12 MCU.100
PA12: C7.1@2973,3448 MCU.101
PA15: C7.2@2973,3548 MCU.108
PB0: C8.1@3350,3116 MCU.49
PB1: C8.2@3450,3116 MCU.50
PB2: C8.3 MCU.51
PB4: C8.4 MCU.131
PB5: C4.3 C8.5 MCU.117 MCU.132
PB6: C8.6 MCU.133
PB7: C8.7 MCU.134
PB10: C8.8 MCU.66
PB11: C8.9 MCU.67
PB12: C8.10 MCU.72
PB13: C8.11 MCU.73
PB14: C8.12 MCU.74
PB15: MCU.75
PC0: C5.1@3499,3962 MCU.28
PC1: C5.2@3499,3862 MCU.29
PC2_C: C5.3 MCU.30
PC3_C: C5.4 MCU.31
PC4: C5.5 MCU.47
PC5: C5.6 MCU.48
PC6: C5.7 MCU.93
PC7: C5.8 MCU.94
PC8: C5.9 MCU.95
PC9: C5.10 MCU.96
PC13: C5.11 MCU.9
PC14-OSC32_IN: C7.6 MCU.10
PC15-OSC32_OUT: C7.3 MCU.11
PD3: C4.1@4633,4001 MCU.115
PD4: C4.2@4633,3901 MCU.116
PD6: C4.4 MCU.120
PD7: C4.5 MCU.121
PD8: C4.6 MCU.76
PD9: C4.7 MCU.77
PD10: C4.8 MCU.78
PD11: C4.9 MCU.81
PD12: C4.10 MCU.82
PD13: C4.11 MCU.83
PD14: C7.11 MCU.84
PD15: C7.12 MCU.85
PE0: C3.1@5427,4001 MCU.138
PE1: C3.2@5427,3901 MCU.139
PE5: C3.3 MCU.5
PE7: C3.4 MCU.57
PE8: C3.5 MCU.58
PE9: C3.6 MCU.59
PE10: C3.7 MCU.60
PE11: C3.8 MCU.61
PE12: C3.9 MCU.62
PE13: C3.10 MCU.63
PE14: C3.11 MCU.64
PE15: C3.12 MCU.65
PF6: C1.1@5834,2433 MCU.20
PF7: C1.2@5934,2433 MCU.21
PF8: C1.3 MCU.22
PF9: C1.4 MCU.23
PF10: C1.5 MCU.24
PF11: C1.6 MCU.52
PF14: C1.7 MCU.53
PF15: C1.8 MCU.54
PG6: C2.1@2952,2114 MCU.86
PG7: C2.2@2952,2014 MCU.87
PG8: C2.3 MCU.88
PG9: C2.4 MCU.122
PG11: C2.6 MCU.124
PG12: C2.7 MCU.125
PG13: C2.8 MCU.126
PG14: C2.9 MCU.127
PG610: C2.5 MCU.123
PH0-OSC_IN: C7.5 MCU.25
PH1-OSC_OUT: C7.4 MCU.26
RF_N: C10.1 L1.1 XCVR.13 | length 401.6
  L1-CU w9.09: L1.1@5250.37,4816 5250.37,4858.67 5255.7,4864 5300,4864 5303.06,4860.94 5347.67,4860.94 5353,4855.61 5353,4816 C10.1@5354,4815 5405,4815 5417,4827 5417.55,4827 5435.86,4845.31 5458.35,4845.31 5530,4845.31 5532.14,4843.17 5548.08,4843.17 XCVR.13@5549.53,4841.72
RF_P: C12.1 L4.2 XCVR.12 | length 405
  L1-CU w9.09: C12.1@5242.31,4922 5254.67,4909.64 5254.67,4885.42 5259.99,4880.09 5306.67,4880.09 5309.73,4877.03 5347.67,4877.03 5353,4882.36 L4.2@5353,4920.63 5387,4920.63 5446.22,4861.41 XCVR.12@5549.53,4861.41
RFC: C11.2 SW1.3 | length 153.5
  L1-CU w13.5: SW1.3@4186.61,4924.8 4337.9,4924.8 C11.2@4339.47,4923.22
"Rx Output": C55.2 FEM.18 | length 188.6
  L1-CU w13.5: FEM.18@3626.02,4846.24 3814.24,4846.24 C55.2@3814.48,4846
SAW_IN: FEM.10 SAW.1 | length 265.9
  L1-CU w13.5: SAW.1@3431,4520 3430.91,4520 3428.16,4522.75 3428.16,4561.84 3405,4585 3405,4660 3469.71,4724.71 FEM.10@3469.71,4748.32
SAW_OUT: FEM.13 SAW.3 | length 236
  L1-CU w13.5: SAW.3@3549,4520 3555.54,4520 3558.29,4522.75 FEM.13@3558.29,4748.32
SCLK: MCU.109 pad.7@5871.06,4390.14 XCVR.1 | length 1812.6
  L1-CU w9: MCU.109@5001.49,3435 5023.38,3435 5038.38,3450 v2(5040,3450) ; XCVR.1@5699.03,4802.35 5699.03,4783.03 v2(5871.06,4611)
  L4-CU w9: v2(5040,3450) 5052.86,3462.86 5871.06,4281.06 v2(5871.06,4611)
SI: MCU.111 pad.7@5778,4439 XCVR.20 | length 1763
  L1-CU w9: MCU.111@4962.12,3435 4962.12,3512.12 v2(5015,3565) ; XCVR.20@5663.65,4766.97 5682.03,4766.97 5791.78,4657.22 5791.78,4637.8 v2(5794.58,4635)
  L4-CU w9: v2(5015,3565) 5050,3565 5160.5,3675.5 5160.5,3676.66 5171.34,3687.5 5172.5,3687.5 5777,4292 5777,4439 5777,4616.78 5794.58,4634.36 v2(5794.58,4635)
SO: MCU.110 pad.7@5823,4358 XCVR.2 | length 1835.8
  L1-CU w9: MCU.110@4981.8,3435 4981.8,3481.8 v2(5005,3505) ; XCVR.2@5699.03,4822.04 5745.61,4822.04 5794.58,4773.06 v2(5794.58,4770)
  L4-CU w9: v2(5005,3505) 5035,3505 5819.34,4278.06 5822,4280.72 5822,4348 5822,4745.42 5797.42,4770 v2(5794.58,4770)
SWCLK: MCU.107 pad.7@3450,2807 SWD.3 | length 2909.2
  L1-CU w9: v1(5017,3324) 5020.96,3324 5034.76,3337.8 MCU.107@5079,3337.8
  L1-CU w12: SWD.3@2451,2659 2451.5,2659.5 2626.5,2659.5 v1(2627,2660)
  L4-CU w12: v1(2627,2660) 2776,2809 4404,2809 4919,3324 v1(5017,3324)
SWDIO: MCU.102 pad.7@3478,2586 SWD.2 | length 2971.1
  L1-CU w9: v1(5008,3237) 5010.38,3239.38 MCU.102@5079,3239.38
  L1-CU w12: SWD.2@2451,2759 2452.5,2757.5 2776.5,2757.5 v1(2778,2756)
  L4-CU w12: v1(2778,2756) 3187,2756 3358,2585 4255,2585 4907,3237 v1(5008,3237)
SWDO: MCU.130 pad.7@3345,2851 SWD.4 | length 2739.1
  L1-CU w9: MCU.130@4588.1,3435 4588.1,3379.9 v1(4589,3379)
  L1-CU w12: SWD.4@2451,2559 2451.5,2559.5 2536.5,2559.5 v1(2537,2560)
  L4-CU w12: v1(2537,2560) 2537,2625 2762.16,2850.16 4345.16,2850.16 4589,3094 v1(4589,3379)
TR: FEM.2 MCU.3 pad.7@3926,3298 | length 3662.7
  L1-CU w9: v2(3320,4935) 3320.09,4934.91 3401.89,4934.91 FEM.2@3401.98,4934.82 ; v1(4110,3317) 4111.12,3318.12 MCU.3@4235,3318.12
  L4-CU w9: v2(3320,4935) 3319.41,4935.59 2460.59,4935.59 2423,4898 2423,4584 3710,3297 4084.98,3297 4104.98,3317 v1(4110,3317)
"Tx Input": C56.2 FEM.20 | length 215.8
  L1-CU w13.5: FEM.20@3626.02,4905.29 3684.42,4905.29 3743.13,4964 C56.2@3817.48,4964
V1: C9.2 MCU.136 pad.7@4292,4090 R2.1 R3.2 | length 1185.2
  L1-CU w9: MCU.136@4469.99,3435 4469.99,3474.99 4490,3495 v2(4490,3520)
  L1-CU w16: R2.1@4224.69,4500.63 4225.31,4500 R3.2@4225.31,4373.37 4224.47,4372.53 4224.47,4254.21 C9.2@4223.63,4253.37 4224.31,4252.69 4224.31,4155.69 v1(4225,4155)
  L4-CU w9: v1(4225,4155) 4490,3890 v2(4490,3520)
V2: C1.1@4074.68,4382 MCU.137 pad.7@4320,3997 R1.1 | length 1221.2
  L1-CU w9: v2(4450,3500) 4450.31,3499.69 MCU.137@4450.31,3435
  L1-CU w12: C1.1@4074.68,4382 4075,4381.69 v1(4075,4310)
  L1-CU w16: C1.1@4074.68,4382 R1.1@4074.68,4500.63
  L4-CU w9: v1(4075,4310) 4075,4245 4450,3870 v2(4450,3500)
VCAP: C38.1 C39.1 MCU.68 MCU.103 MCU.140 | length 1987.4
  L1-CU w9: v1(4391,3261) 4392.94,3259.06 4965.06,3259.06 ; MCU.140@4391.25,3435 4391.25,3390.87 v1(4421.56,3360.56) ; MCU.68@4922.75,2591 4922.75,3216.75 4965.06,3259.06 ; MCU.103@5079,3259.06 4965.06,3259.06
  L1-CU w10: MCU.140@4391.25,3435 4391.25,3479.65 4470,3558.4 C39.1@4470,3602.22 ; C38.1@4800,2462 4800,2500 4821.47,2521.47 4879.76,2521.47 4922.25,2563.96 4922.25,2590.5 MCU.68@4922.75,2591
  L4-CU w9: v1(4391,3261) 4391,3298 4421.56,3328.56 v1(4421.56,3360.56)
VPC: MCU.4 pad.7@3764,3249 R7.1 | length 3350.6
  L1-CU w9: MCU.4@4235,3298.43 4283.54,3298.43 4295.11,3310 v1(4298,3310)
  L1-CU w10: v2(2760,4990) 2813.5,4990 R7.1@2814.5,4991
  L4-CU w10: v2(2760,4990) 2446.22,4990 2390.53,4934.31 2390.53,4585.47 3726,3250 4239.8,3250 4298,3308.2 v1(4298,3310)
VREF+: C30.2 C31.2 MCU.35 R9.2 | length 441.3
  L1-CU w9: C31.2@3913,2547 4027,2547 C30.2@4028,2548 4105,2548 4117.16,2560.16 R9.2@4117.16,2664 4163.3,2664 4187.49,2688.2 MCU.35@4235,2688.2
pads on no net: C1.9 C1.10 C1.11 C1.12 C2.10 C2.11 C2.12 C4.12 C5.12 C7.7 C7.8 C7.9 C7.10 J1.MH1 J1.MH2 J2.MH1 J2.MH2 LDO.2 LDO.3 MCU.15 MCU.17 MCU.90 MH1.1 MH2.1 MH3.1 MH4.1 XCVR.V

## Polygon pours and split planes (outlines as drawn)
3.3V on L3-CU "3.3V_L03_P035" (solid, remove dead copper, pour order 35): 2377,1982 2377,3039 cw(c2427,3039) 2427,3089 3658,3089 ccw(c3646.5,3227.5) 3785,3239 3785,3696 cw(c3902.5,3681.5) 3917,3799 5974,3799 cw(c5974,3749) 6024,3749 6024,1982 cw(c5974.01,1981.99) 5974,1932 2427,1932 cw(c2427,1982)
3.9V on L3-CU "3.9V_L03_P024" (solid, remove dead copper, pour order 24): 3231,5043 cw(c3231,5093) 3181,5093 3181,5218 cw(c3230,5218) 3230,5267 3724,5267 cw(c3724,5217) 3774,5217 3774,5066.8 cw(c3750.2,5066.8) 3750.2,5043
GND on L1-CU "GND_L01_P037" (solid, remove dead copper, pour order 37): 2372.23,5353.77 cw(c2372.23,5375) 2351,5375 2351,5653 cw(c2398,5653) 2398,5700 5990.94,5700 cw(c5990.94,5650) 6040.94,5650 6040.94,5403.77 cw(c5990.94,5403.77) 5990.94,5353.77
GND on L1-CU "NONET_L01_P036" (none, remove dead copper, shelved, pour order 36): 2351,1924 ccw(c2399,1924) 2399,1876 5992,1876 ccw(c5992,1924) 6040,1924 6040,4376 ccw(c6020,4376) 6020,4396 2401,4396 ccw(c2401,4346) 2351,4346
GND on L2-CU "GND_L02_P022" (solid, remove dead copper, pour order 22): 2348,1917 ccw(c2392,1917) 2392,1873 5999,1873 ccw(c5999,1918) 6044,1918 6044,5658 ccw(c5999,5658) 5999,5703 2393,5703 ccw(c2393,5658) 2348,5658
GND on L4-CU "Signal" (solid, remove dead copper, pour order 23): 2348,1918 2348,5658 cw(c2393,5658) 2393,5703 5991.33,5703 cw(c5991.33,5650.33) 6044,5650.33 6044,1918 cw(c5999,1918) 5999,1873 2393,1873 cw(c2393,1918)

## Silkscreen, mask and mechanical layers (free items; w line width, h text height)
Top Overlay:
  drawing of 10 lines, arcs and shapes, not listed
  text "RF Front End" at 2414,5225 h50
  text "Transceiver Communications - Jonathan - 2025" at 3900,5136.09 h60
  text "GDO2" at 5559,4434.28 h20
  text "SI" at 5762.57,4384.76 h20
  text "SCLK" at 5910,4382.42 h20
  text "CSn" at 5686.72,4311 h20
  text "GDO0" at 5549,4301 h20
  text "SO" at 5808.24,4298 h20
  text "3.9V" at 2808,4174 h50
  text "V1" at 4327,4076.91 h25
  text "V2" at 4357.81,3984.91 h25
  text "5V" at 2415,3666 h50
  text "Boot" at 5570,3603 h50
  text "BYP" at 3636.16,3384.84 h25
  text "*" at 4202,3369.34 h40
  text "EN" at 3769.27,3338.91 h25
  text "TR" at 3848.5,3289.21 h25
  text "VPC" at 3657,3236.92 h25
  text "SWDO" at 3194,2837.91 h25
  text "SWCLK" at 3493,2798.54 h25
  text "Bulk Cap" at 5425,2772.66 h35
  text "SWDIO" at 3314.01,2572.91 h25
  text "NRST" at 3334.91,2395.16 h25
  text "NRST" at 2820.15,2324 h50
  text "3.3V" at 4024,1975 h50
Board Layer Stack Bottom Overlay:
  text "Designed by Jonathan Lin" at 5133,5472 h80
  text "Spring 2025" at 4775,5207 h80

## Dimensions
5749,5703 to 5761,5475 on Mechanical 1
6044,5653 to 5749,5687 on Mechanical 1
2398,5703 to 2596,5475 on Mechanical 1
2348,5653 to 2599,5576 on Mechanical 1
2393,1873 to 2623,2101 on Mechanical 1
2348,1918 to 2699,1958 on Mechanical 1
5999,1874 to 5646,2102 on Mechanical 1
6044,1917 to 5599,1939 on Mechanical 1
2350,1771 to 6040,1771 on Mechanical 1

## Text inside footprints (layer, text, board x,y; h text height)
C1: Top Overlay "REFDES" at 5906,2598.5 h50 r90; Mechanical 13 "RefDes2" at 5906,2598.5 h50 r90
C2: Top Overlay "REFDES" at 3117.5,2042 h50; Mechanical 13 "RefDes2" at 3117.5,2042 h50
C3: Top Overlay "REFDES" at 5592.5,3929 h50; Mechanical 13 "RefDes2" at 5592.5,3929 h50
C4: Top Overlay "REFDES" at 4798.5,3929 h50; Mechanical 13 "RefDes2" at 4798.5,3929 h50
C5: Top Overlay "REFDES" at 3664.5,3890 h50; Mechanical 13 "RefDes2" at 3664.5,3890 h50
C6: Top Overlay "REFDES" at 2802.5,3236 h50 r180; Mechanical 13 "RefDes2" at 2802.5,3236 h50 r180
C7: Top Overlay "REFDES" at 2807.5,3520 h50 r180; Mechanical 13 "RefDes2" at 2807.5,3520 h50 r180
C8: Top Overlay "REFDES" at 3422,3281.5 h50 r90; Mechanical 13 "RefDes2" at 3422,3281.5 h50 r90
FEM: Top Overlay "*" at 3339,4992 h50; Mechanical 13 "*" at 3438.16,4909.82 h50
MCU: Mechanical 13 "*" at 4270,3335 h50
SAW: Top Overlay "RX" at 3346,4508 h25; Mechanical 13 "*" at 3418.5,4495 h50
XCVR: Top Overlay "*" at 5755.28,4802.51 h50 r180; Mechanical 13 "*" at 5753.37,4814.27 h50 r180